# Altium PCB PCB1.PcbDoc
Units mil, origin at the board's own origin, x right, y up, seen from the top; angles counter-clockwise.
Board outline 1386.17 x 2594.96 mil, 2 copper layers (Top Layer, Bottom Layer); 53 components, 38 nets, 188 pads, 60 vias.
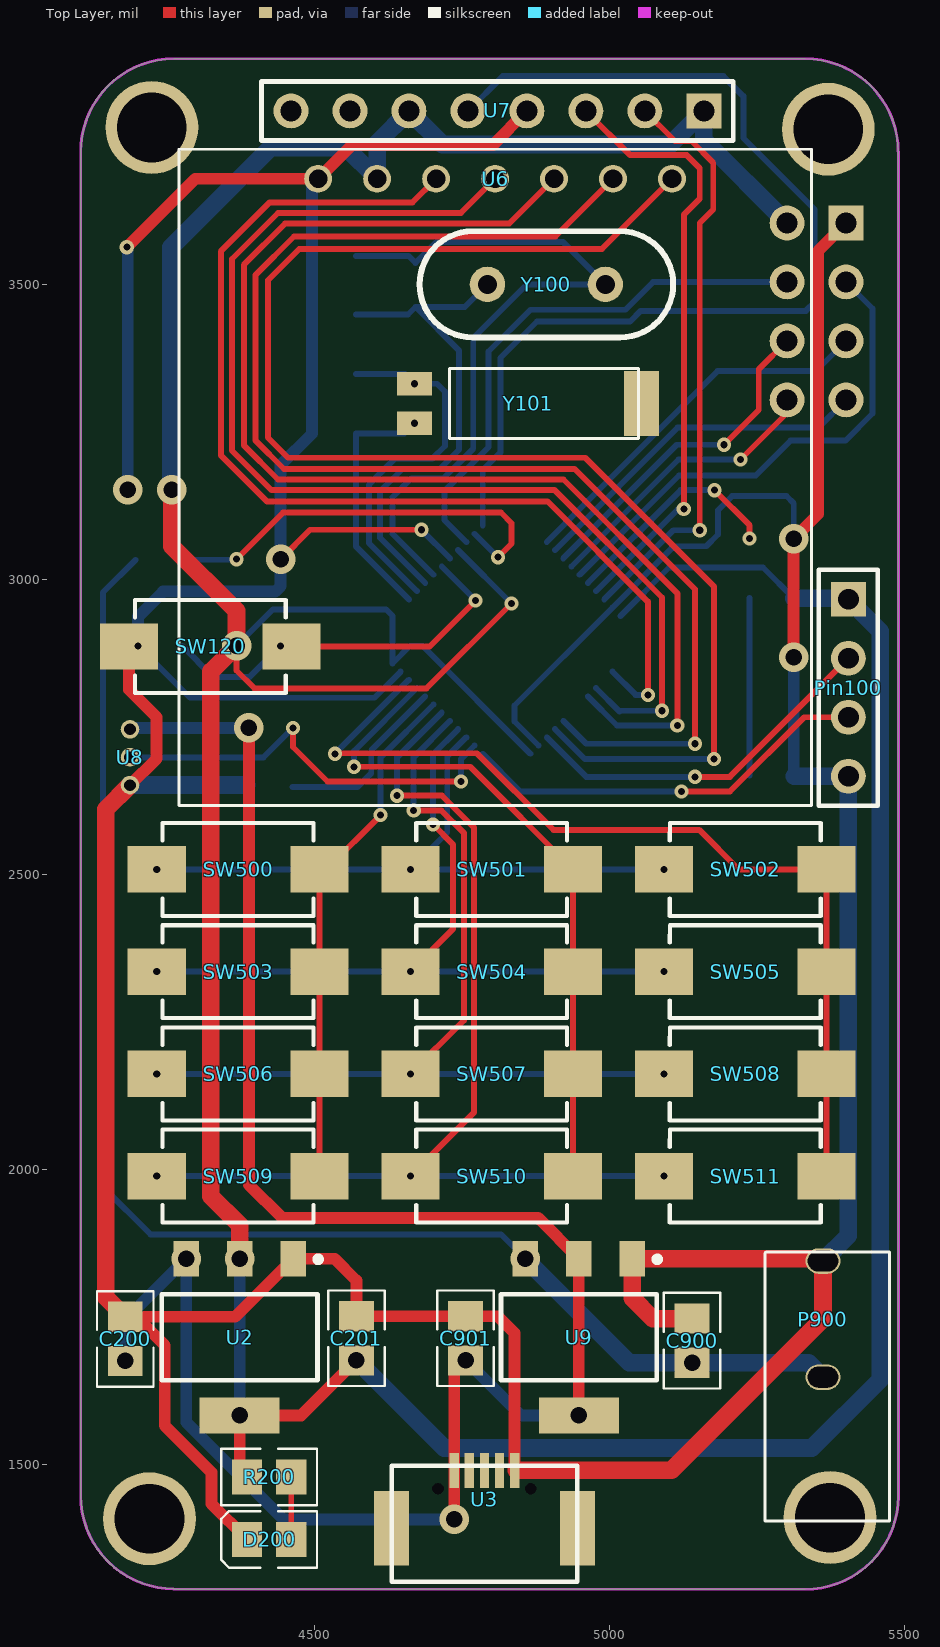
[diagram p0: Top Layer view]
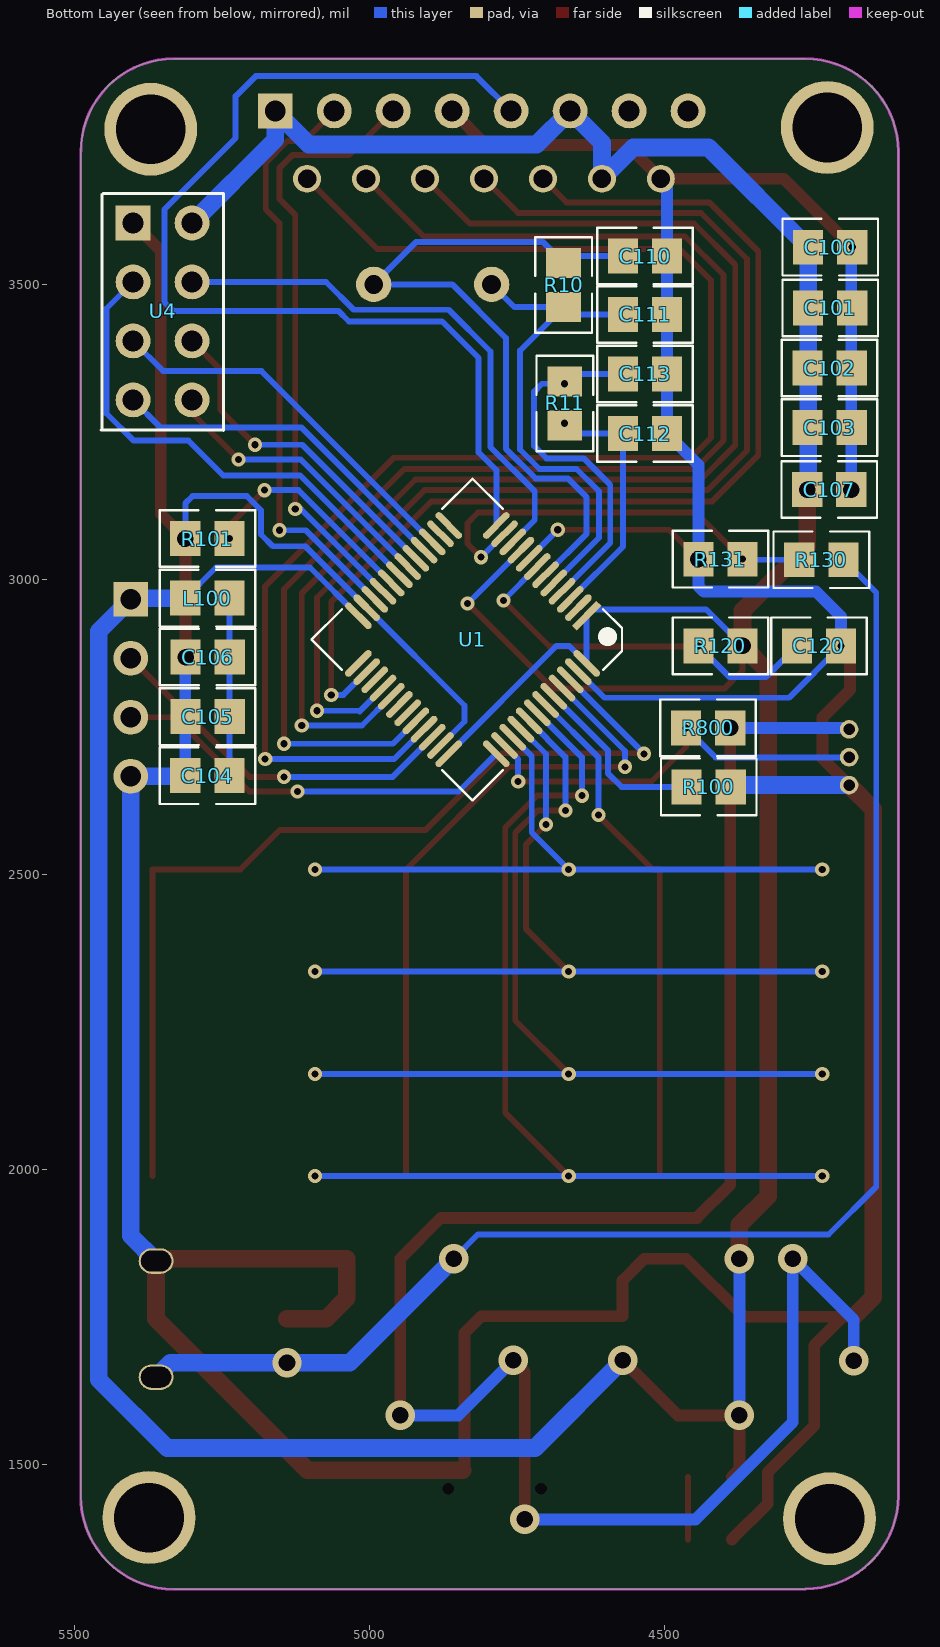
[diagram p1: Bottom Layer view, seen from below]
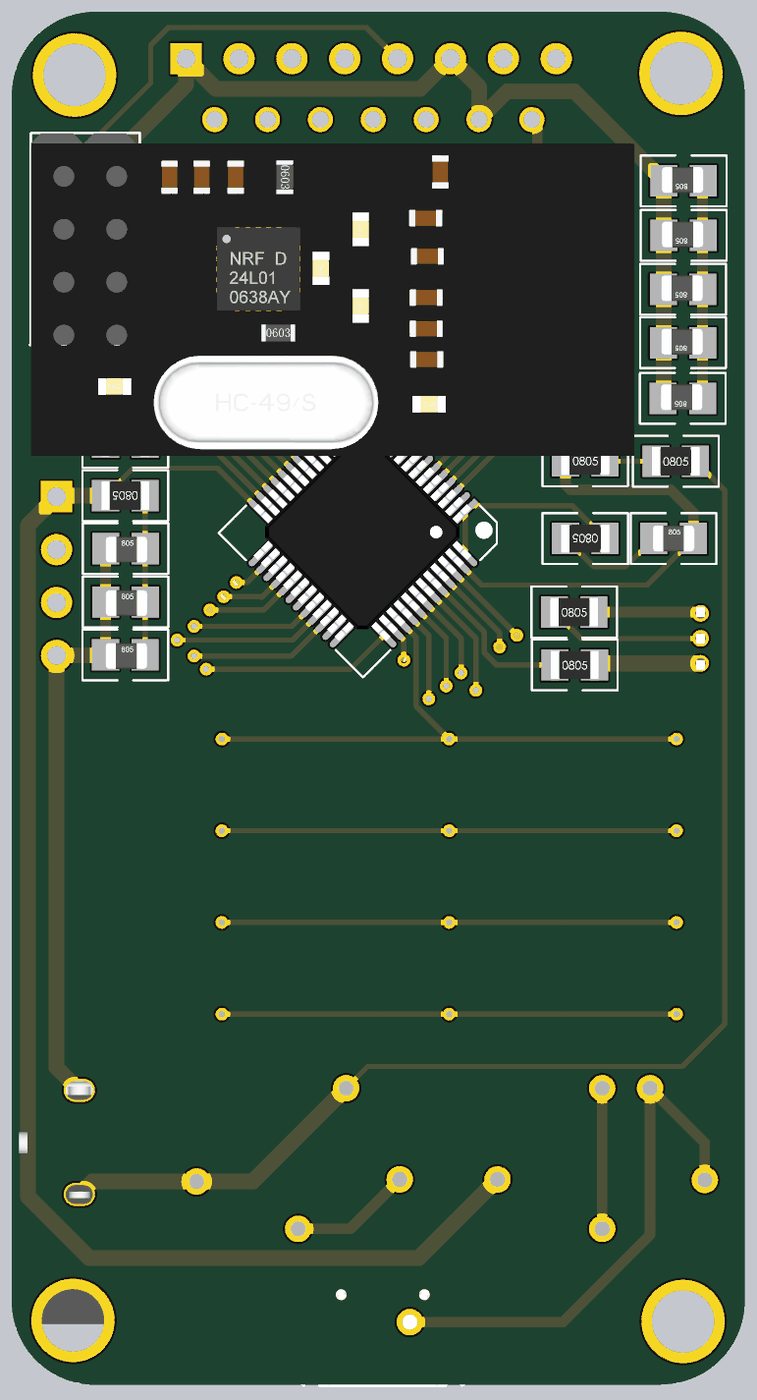
[diagram p2: 3D render of the assembled board from below, using the file's embedded part models]

## Layer stack, top to bottom
Top Solder: solder mask 0.4, Solder Resist, Dk 3.5
Top Layer: signal copper 1.4
Dielectric 1: dielectric 12.6, FR-4, Dk 4.8
Bottom Layer: signal copper 1.4
Bottom Solder: solder mask 0.4, Solder Resist, Dk 3.5

## Board outline
4103.52,1446.8 ccw(c4261,1446.8) 4261,1289.32 4261,1288.52 5332.2,1288.52 ccw(c5332.2,1446) 5489.69,1446 5489.69,3725.98 5489.48,3725.98 ccw(c5332,3725.98) 5332,3883.46 5332,3883.48 4261,3883.48 ccw(c4261,3726) 4103.52,3726

## Design rules (kind name [scope] priority, off if disabled: settings)
Clearance [All] p1: gap=6
PolygonConnect [All] p1: connectstyle=Relief reliefconductorwidth=10 reliefentries=4 polygonreliefangle="90 Angle" airgapwidth=10
RoutingVias [All] p1: holewidth=28 width=50 viastyle="Through Hole" minholewidth=12 minwidth=24 maxholewidth=28 maxwidth=50
SolderMaskExpansion [All] p1: expansion=4
Width 7V2 [All] p1: maxlimit=30 minlimit=10 preferedwidth=30 minimp=50.000000 maximp=50.000000 favimp=50.000000
Width POWER [InNet('BEATTRY')] p2: maxlimit=30 minlimit=10 preferedwidth=30 minimp=50.000000 maximp=50.000000 favimp=50.000000
Width 5V [InNet('5V')] p3: maxlimit=20 minlimit=10 preferedwidth=20 minimp=50.000000 maximp=50.000000 favimp=50.000000
Width GND [InNet('GND')] p4: maxlimit=30 minlimit=10 preferedwidth=30 minimp=50.000000 maximp=50.000000 favimp=50.000000
Width SYS_VCC [InNet('SYS_VCC')] p5: maxlimit=30 minlimit=10 preferedwidth=20 minimp=50.000000 maximp=50.000000 favimp=50.000000
Width [All] p6: maxlimit=10 minlimit=10 preferedwidth=10
30 further rules are at their usual default settings.

## Components (designator, comment, footprint, x,y, rotation, side; value= is the part's Value field where it differs from the comment)
C100 "100nf" 0805 4219,3564 r0 bottom
C101 "100nf" 0805 4219,3461 r0 bottom
C102 "100nf" 0805 4220,3359 r0 bottom
C103 "100nf" 0805 4220,3258 r0 bottom
C104 "100nf" 0805 5275,2668 r180 bottom
C105 "100nf" 0805 5274.6,2768 r180 bottom
C106 "100nf" 0805 5274.6,2869 r180 bottom
C107 "100nf" 0805 4220.6,3153 r0 bottom
C110 "20pf" 0805 4533,3549 r180 bottom
C111 "20pf" 0805 4533,3450 r180 bottom
C112 "20pf" 0805 4533,3248 r180 bottom
C113 "20pf" 0805 4533,3349 r180 bottom
C120 "100nf" Cap0805 4238,2888 r180 bottom
C200 "10uf" 0805 4179,1713 r270 top
C201 "10uf" 0805 4571,1714 r90 top
C900 "10UF" Cap0805 5140,1710 r270 top
C901 "10UF" Cap0805 4756,1714 r90 top
D200 "LED0" LED-0805 4423,1373 r180 top
L100 "Inductor" 0805 5275,2969 r0 bottom
P900 "Header 2" DC003 5362,1845 r0 top
Pin100 "SWD" HDR1X4 5405,2967 r270 top
R10 "Res" 0805 4671,3500 r90 bottom
R11 "Res" 0805 4669,3299 r270 bottom
R100 "Res" 0805 4425,2649 r180 bottom
R101 "Res" 0805 5275,3070 r0 bottom
R120 "Res" 0805 4405,2888 r0 bottom
R130 "Res" 0805 4234,3034 r180 bottom
R131 "Res" 0805 4405,3035 r180 bottom
R200 "Res" 0805 4423,1479 r0 top
R800 "Res" 0805 4426,2749 r180 bottom
SW120 "SW-PB" SW-PB 4321,2887 r180 top
SW500 "SW-PB" SW-PB 4368,2509 r180 top
SW501 "SW-PB" SW-PB 4798,2509 r180 top
SW502 "SW-PB" SW-PB 5228,2509 r180 top
SW503 "SW-PB" SW-PB 4368,2335.67 r180 top
SW504 "SW-PB" SW-PB 4798,2335.67 r180 top
SW505 "SW-PB" SW-PB 5228,2335.67 r180 top
SW506 "SW-PB" SW-PB 4368,2162.33 r180 top
SW507 "SW-PB" SW-PB 4798,2162.33 r180 top
SW508 "SW-PB" SW-PB 5228,2162.33 r180 top
SW509 "SW-PB" SW-PB 4368,1989 r180 top
SW510 "SW-PB" SW-PB 4798,1989 r180 top
SW511 "SW-PB" SW-PB 5228,1989 r180 top
U1 "STM32F103C8T6" LQFP-48 4632,2939 r315 bottom
U2 "ASM1117" SOT-223 4373,1716 r180 top
U3 "microusb" microusb 4788,1435 r180 top
U4 "NRF24L01+" DIP8NRF 5301,3304 r0 bottom
U6 "OLED" OLED 4506,3680 r0 top
U7 "PS608" HDR1X8 5160,3795 r180 top
U8 "DS18B20" TO-92 4187,2652 r90 top
U9 "ASM1117" SOT-223 4948,1716 r180 top
Y100 "XTAL" X-HC49U 4893,3501 r0 top
Y101 "XTAL" 308晶振 4862,3299 r180 top

## Footprints (in the part's own frame and the unit in brackets; to place one, negate y for a bottom-side part, rotate by r counter-clockwise, add the part's x,y. Pads: shape width x height; smd on the part's side, far side on the other; paste and mask are expansions set on the pad)
308晶振 [mm] "32.768KHz"
  rect 1.5x2.8 smd: 0(-4.889,0)
  rect 1.5x1 smd: 1(4.889,-0.85) 2(4.889,0.85)
  silkscreen extent -4.76,-1.5 3.39,1.5, body extent -4.76,-1.5 3.37,1.55, height 3
0805 [mm]
  rect 1.3x1.5 smd: 1(-0.95,0) 2(0.95,0)
  silkscreen extent -2.06,-1.22 2.06,1.22, body extent -0.95,-0.68 1.05,0.57, height 0.78
Cap0805 [mm] "贴片电容"
  rect 1.3x1.5 smd: 1(-0.95,0) 2(0.95,0)
  silkscreen extent -2.06,-1.22 2.06,1.22, body extent -1,-0.62 1,0.63, height 0.78
DC003 [mm]
  oval 1.5x1.1 hole 0.9 slot 1.3 at 0 deg: 1(0,0) 2(0,-5)
  silkscreen extent -2.49,-11.2 2.87,0.38, body extent -2.5,-11.22 2.9,0.38, height 7.4
DIP8NRF [mm]
  rect 1.5x1.5 hole 0.9: 1(2.54,-7.645)
  round 1.5 hole 0.9: 2(0,-7.645) 3(2.54,-5.105) 4(0,-5.105) 5(2.54,-2.565) 6(0,-2.565) 7(2.54,-0.025) 8(0,-0.025)
  silkscreen extent -1.35,-8.92 3.91,1.3, body extent -25.11,-8.89 3.89,6.6, height 11.12
HDR1X4 [mm] "Connector; Header; 4 Position"
  rect 1.5x1.5 hole 0.9: 1(0,0)
  round 1.5 hole 0.9: 2(2.54,0) 3(5.08,0) 4(7.62,0)
  silkscreen extent -1.27,-1.27 8.89,1.27
HDR1X8 [mm] "Connector; Header; 8 Position"
  rect 1.5x1.5 hole 0.9: 1(0,0)
  round 1.5 hole 0.9: 2(2.54,0) 3(5.08,0) 4(7.62,0) 5(10.16,0) 6(12.7,0) 7(15.24,0) 8(17.78,0)
  silkscreen extent -1.27,-1.27 19.05,1.27
LED-0805 [mm]
  rect 1.3x1.5 smd: 1(-0.95,0) 2(0.95,0)
  silkscreen extent -2.06,-1.22 2.06,1.22, body extent -1,-0.62 1,0.63, height 0.81
LQFP-48 [mm]
  rect 1.5x0.3 smd: 1(0,0)
  oval 1.5x0.3 smd: 2(0,-0.5) 3(0,-1) 4(0,-1.5) 5(0,-2) 6(0,-2.5) 7(0,-3) 8(0,-3.5) 9(0,-4) 10(0,-4.5) 11(0,-5) 12(0,-5.5) 25(8.4,-5.5) 26(8.4,-5) 27(8.4,-4.5) 28(8.4,-4) 29(8.4,-3.5) 30(8.4,-3) 31(8.4,-2.5) 32(8.4,-2) 33(8.4,-1.5) 34(8.4,-1) 35(8.4,-0.5) 36(8.4,0)
  oval 0.3x1.5 smd: 13(1.45,-6.95) 14(1.95,-6.95) 15(2.45,-6.95) 16(2.95,-6.95) 17(3.45,-6.95) 18(3.95,-6.95) 19(4.45,-6.95) 20(4.95,-6.95) 21(5.45,-6.95) 22(5.95,-6.95) 23(6.45,-6.95) 24(6.95,-6.95) 37(6.95,1.45) 38(6.45,1.45) 39(5.95,1.45) 40(5.45,1.45) 41(4.95,1.45) 42(4.45,1.45) 43(3.95,1.45) 44(3.45,1.45) 45(2.95,1.45) 46(2.45,1.45) 47(1.95,1.45) 48(1.45,1.45)
  silkscreen extent -0.7,-7.65 9.1,2.15, body extent -0.31,-7.29 8.69,1.71, height 1.5
microusb [mm]
  rect 1.5x3.2 smd: 0(4,1.1) 6(-4,1.1)
  rect 0.4x1.5 smd: 1(1.3,-1.4) 2(0.65,-1.4) 3(0,-1.4) 4(-0.65,-1.4) 5(-1.3,-1.4)
  round 0 hole 0.5: 8(2,-0.6) 9(-2,-0.6)
  silkscreen extent -4,-1.6 4,3.4, body extent -4.04,-1.71 4.04,3.86, height 2.73
OLED [mm]
  round 1.2 hole 0.8: 1(0,0) 2(2.54,0) 3(5.08,0) 4(7.62,0) 5(10.16,0) 6(12.7,0) 7(15.24,0)
  silkscreen extent -6,-27 21.24,1.27, body extent -5.73,-26.35 20.97,-4.14, height 5.7
SOT-223 [mm]
  rect 1.1x1.55 smd: 1(-2.3,-3.375) 2(0,-3.375) 3(2.3,-3.375)
  rect 3.45x1.55 smd: 4(0,3.375)
  silkscreen extent -3.5,-3.48 3.35,1.85, body extent -3.3,-3.94 3.3,3.43, height 0.8
SW-PB [mm] "贴片按键"
  rect 2.5x2 smd: 1(-3.556,0) 2(3.444,0)
  silkscreen extent -3.31,-2 3.19,2, body extent -3.3,-2.03 3.18,2.03, height 1.2
TO-92 [mm]
  round 0.8 hole 0.5: 1(0,0) 2(1.2,0) 3(2.4,0)
  body extent -1.19,-2.18 3.57,1.44, height 4.82
X-HC49U [mil] "直插无源晶振"
  round 60 hole 32: 1(-100,0) 2(100,0)
  silkscreen extent -215,-90 215,90, body extent -186,-89 194,91, height 87

## Part data
C100 C101 C102 C103 C104 C105 C106 C107 C110 C111 C112 C113 C120 C200 C201 C900 C901: library part Cap, "0805贴片电容"
D200: "0805贴片LED灯"
P900: "Header, 2-Pin"
Pin100: "SWD下载端口"
R10 R11 R100 R101 R120 R130 R131 R200 R800: "0805贴片电阻"
SW120 SW500 SW501 SW502 SW503 SW504 SW505 SW506 SW507 SW508 SW509 SW510 SW511: "贴片按键"
U1: "Cortex-M3内核单片机"
U2 U9: "线性稳压芯片"
U4: "直插式NRF"
U7: "指纹模块"
U8: "温度传感器"
Y100 Y101: "无源晶振"

## Free pads (board coordinates)
  round 157.48 hole 118.11: 0(4220,1408) 0(4224,3767) 0(5371,3764) 0(5374,1410)

## Via types
v1: diameter 24, hole 12, Top Layer to Bottom Layer, 43 vias
v2: diameter 50, hole 28, Top Layer to Bottom Layer, 17 vias

## Nets (pads, with @x,y where several pads share a name; then routed paths per layer and width w, separated by ;. In a path a pad name is that pad's centre, name@x,y a point inside that pad or via, vN(x,y) a via of type N, cw(c..) or ccw(c..) an arc to the next point about the centre after c; other vN are vias at no path point)
5V: C200.2 C901.1 R800.2 U2.3 U3.1 U8.3 U9.2 U9.4 | length 3375.3
  Top Layer w20: v2(4388.6,2749) 4388.6,1974.4 4445,1918 4878.87,1918 U9.2 v2(4948,1583.13) ; v2(4736.82,1406.82) U3.1 4736.82,1657.41 v2(4756,1676.6)
  Bottom Layer w20: v2(4179,1675.6) 4179,1745.42 v2(4282.45,1848.87) 4282.45,1571.55 4447.18,1406.82 v2(4736.82,1406.82) ; U8.3@4189.51,2749 v2(4388.6,2749) ; v2(4756,1676.6) 4849.48,1583.13 v2(4948,1583.13)
7V2: C900.2 P900.2 R130.2 U9.3 | length 2440.8
  Bottom Layer w10: R130.2 4141,2978.4 4141,1971 4222,1890 4816.32,1890 v2(4857.45,1848.87)
  Bottom Layer w30: v2(4857.45,1848.87) 5033.73,1672.6 v2(5140,1672.6) 5337.55,1672.6 P900.2
BEATER: R130.1 R131.2 U1.11 | length 725.2
  Top Layer w10: v1(4367.6,3035) 4446.6,3114 4816,3114 4834,3096 4834,3061.39 v1(4811,3038.39)
  Bottom Layer w10: R130.1 R131.2@4366.6,3034 ; U1.11 v1(4811,3038.39)
BOOT0: R100.1 U1.44 | length 311.7
  Bottom Layer w10: R100.1 4573,2649 4596,2672 4596,2710.91 U1.44
BOOT1: R101.1 U1.20 | length 386.6
  Top Layer w10: v1(5178,3152) 5237.6,3092.4 v1(5237.6,3070)
  Bottom Layer w10: U1.20 5120.6,3152 v1(5178,3152)
DQ: R800.1 U1.38 U8.2 | length 709.2
  Top Layer w10: v1(4463.4,2749) 4463.4,2716.6 4522,2658 v1(4748,2658)
  Bottom Layer w10: U8.2@4187,2698.76 4413.16,2698.76 v1(4463.4,2749) ; v1(4748,2658) 4748,2695.88 U1.38
GND: C100.1 C101.1 C102.1 C103.1 C104.1 C105.1 C106.1 C107.1 C110.2 C111.2 C112.2 C113.2 C120.2 C200.1 C201.2 C900.1 C901.2 D200.2 P900.1 Pin100.4 R100.2 R101.2 R131.1 SW120.2 U1.8 U1.23 U1.35 U1.47 U2.1 U3.5 U4.1 U6.1 U7.4 U8.1 U9.1 | length 9834.9
  Top Layer w10: v2(4442.4,3035) 4492.27,3084.87 v1(4681,3084.87)
  Top Layer w20: C200.1 4197.6,1750.4 4246,1702 4246,1566 4325,1487 4325,1433.6 D200.2 ; v1(4181.6,3564) 4297.6,3680 U6.1 4563,3737 4802,3737 U7.4 ; v2(4183.2,3153) v2@4185.41,3150.79 ; SW120.2 4185.41,2813.59 4232,2767 4232,2697 U8.1 ; 4210.6,1750.4 4365.08,1750.4 U2.1 4534.13,1848.87 4571,1812 C201.2 C901.2 4810.6,1751.4 4839.18,1722.82 U3.5 ; v2(5312,2869) v2@5312,3069.6 ; v2(5312.4,3070) 5354,3111.6 5354,3558 U4.1
  Top Layer w30: C200.1 4146,1783.4 4146,2611 U8.1 ; U3.5@4842.46,1490.12 5105.12,1490.12 5362,1747 P900.1 ; C900.1 5073.6,1747.4 5038.55,1782.45 U9.1 P900.1@5358.13,1848.87
  Bottom Layer w10: v1(4200.6,2888) 4288.6,2800 4601.57,2800 U1.47 ; v1(4681,3084.87) U1.8 ; U1.35 4839,2759.84 4839,2786.88 U1.23 5109.12,3057 5164,3057 5184,3077 5184,3118 5208,3142 5300,3142 5312.4,3129.6 v2(5312.4,3070)
  Bottom Layer w20: v2(4183.2,3153) C100.1@4183.2,3562.4 ; v1(4200.6,2888) 4200.6,2937.6 4243,2980 4433,2980 4442.4,2989.4 v2(4442.4,3035) 4442.4,3194.8 C112.2 C113.2 C111.2 C110.2 4495.6,3669.6 U6.1 ; C104.1 C106.1@5312.4,2868.6
  Bottom Layer w30: U8.1 R100.2@4384.6,2652 ; C104.1@5313.4,2667 Pin100.4 5405,1888 P900.1
JTCK: Pin100.3 U1.37 | length 698.7
  Top Layer w10: v1(5122,2641) 5204,2641 5330,2767 Pin100.3
  Bottom Layer w10: U1.37 4849.27,2641 v1(5122,2641)
JTMS: Pin100.2 U1.34 | length 622.3
  Top Layer w10: v1(5145,2666) 5204,2666 Pin100.2
  Bottom Layer w10: U1.34 4960.68,2666 v1(5145,2666)
LISR1: SW500.1 SW503.1 SW506.1 SW509.1 U1.43 | length 886.9
  Top Layer w10: SW509.1 SW506.1 SW503.1 SW500.1 4520,2509 v1(4612,2601)
  Bottom Layer w10: v1(4612,2601) 4612,2699.07 U1.43
LISR2: SW501.1 SW504.1 SW507.1 SW510.1 U1.45 | length 1140.8
  Top Layer w10: v1(4567,2683) 4764,2683 SW501.1 SW504.1 SW507.1 SW510.1
  Bottom Layer w10: v1(4567,2683) 4567,2709.75 U1.45
LISR3: SW502.1 SW505.1 SW508.1 SW511.1 U1.46 | length 1613
  Top Layer w10: v1(4534.41,2705) 4535.41,2706 4775,2706 4905,2576 5152,2576 5219,2509 SW502.1 SW505.1 SW508.1 SW511.1
  Bottom Layer w10: v1(4534.41,2705) U1.46
NetC104_2: C104.2 C105.2 C106.2 L100.1 | length 301
  Bottom Layer w10: C104.2 L100.1
NetD200_1: D200.1 R200.2 | length 106
  Top Layer w10: D200.1 R200.2
OSC32_IN: C112.1 R11.2 U1.3 Y101.2 | length 424.6
  Bottom Layer w10: U1.3 4570.4,3056.28 C112.1 4651.96,3248 v1(4669.5,3265.54)
OSC32_OUT: C113.1 R11.1 U1.4 Y101.1 | length 625.5
  Bottom Layer w10: C113.1 4652.96,3349 v1(4669.5,3332.46) 4707.54,3332.46 4721,3319 4721,3227 4700,3206 4637,3206 4592,3161 4592,3062.52 U1.4
OSC_IN: C111.1 R10.1 U1.5 Y100.1 | length 866.5
  Bottom Layer w10: C111.1 4658.4,3450 R10.1 ; U1.5 4611,3071.36 4611,3150 4649,3188 4712,3188 4745,3221 4745,3388.6 R10.1 ; Y100.1 4754.6,3462.6 R10.1
OSC_OUT: C110.1 R10.2 U1.6 Y100.2 | length 1252.6
  Bottom Layer w10: C110.1 4659.4,3549 R10.2 4706.6,3573 4921,3573 Y100.2 4860,3501 4769,3410 4769,3222.37 4718.63,3172 4664,3172 4632,3140 4632,3078.19 U1.6
PS_WAK: U1.12 U7.5 | length 1773.3
  Bottom Layer w10: U7.5 4819,3854 5193,3854 5227,3820 5227,3749 5348,3628 5348,3471 5333,3456 5053,3456 5035,3438 4877,3438 4815,3376 4815,3216 4785.11,3186.11 U1.12
REST: C120.1 R120.2 SW120.1 U1.7 | length 636.5
  Top Layer w10: SW120.1 4695,2887 v1(4773,2965)
  Bottom Layer w10: C120.1 4328.4,2835 4389.4,2835 v1(4442.4,2888) ; U1.7 v1(4773,2965)
ROW1: SW500.2 SW501.2 SW502.2 U1.39 | length 1123.3
  Bottom Layer w10: v1(4232.41,2509) v1(4662.41,2509) ; U1.39 4725,2700.72 4725,2571.59 v1(4662.41,2509) ; v1(5092.41,2509) v1(4662.41,2509)
ROW2: SW503.2 SW504.2 SW505.2 U1.40 | length 1332.9
  Top Layer w10: v1(4662.41,2335.67) 4735,2408.26 4735,2551 v1(4701,2585)
  Bottom Layer w10: v1(4232.41,2335.67) v1(4662.41,2335.67) v1(5092.41,2335.67) ; v1(4701,2585) 4701,2704.56 U1.40
ROW3: SW506.2 SW507.2 SW508.2 U1.41 | length 1584.2
  Top Layer w10: v1(4662.41,2162.33) 4753,2252.92 4753,2571 4715,2609 v1(4668,2609)
  Bottom Layer w10: v1(4232.41,2162.33) v1(4662.41,2162.33) v1(5092.41,2162.33) ; v1(4668,2609) 4668,2699.4 U1.41
ROW4: SW509.2 SW510.2 SW511.2 U1.42 | length 1820
  Top Layer w10: v1(4640,2634) 4716,2634 4770,2580 4770,2096.59 v1(4662.41,1989)
  Bottom Layer w10: v1(4232.41,1989) v1(4662.41,1989) v1(5092.41,1989) ; v1(4640,2634) 4640,2699.23 U1.42
SPI1_CE: U1.19 U4.3 | length 851.5
  Bottom Layer w10: U1.19 5117.77,3177 5248,3177 5307,3236 5400,3236 5446,3282 5446,3460 U4.3
SPI1_CSN: U1.10 U4.4 | length 924.1
  Bottom Layer w10: U1.10 4720,3101.55 4720,3150 4795,3225 4795,3387 4866,3458 5027,3458 5074,3505 U4.4
SPI1_IRQ: U1.18 U4.8 | length 495.5
  Top Layer w10: v1(5222,3204) 5301,3283 U4.8
  Bottom Layer w10: U1.18 5116.93,3204 v1(5222,3204)
SPI1_MISO: U1.16 U4.7 | length 598.9
  Bottom Layer w10: U1.16 5115.25,3258 5354,3258 U4.7
SPI1_MOSI: U1.17 U4.6 | length 572.6
  Top Layer w10: v1(5194,3229) 5253,3288 5253,3357 U4.6
  Bottom Layer w10: U1.17 5114.09,3229 v1(5194,3229)
SPI1_SCK: U1.15 U4.5 | length 648.4
  Bottom Layer w10: U1.15 5183.41,3354 5350,3354 U4.5
SPI2_CS: U1.33 U6.7 | length 2467.1
  Top Layer w10: U6.7 4987,3561 4474,3561 4421,3508 4421,3241 4455,3207 4959,3207 5177,2989 v1(5177,2696)
  Bottom Layer w10: U1.33 4958.52,2696 v1(5177,2696)
SPI2_DC: U1.32 U6.6 | length 2305.5
  Top Layer w10: U6.6 4908.19,3582.19 4465.19,3582.19 4400,3517 4400,3236 4448,3188 4941,3188 5145,2984 v1(5145,2722)
  Bottom Layer w10: U1.32 4960.36,2722 v1(5145,2722)
SPI2_MOSI: U1.28 U6.4 | length 1980.1
  Top Layer w10: U6.4 4748,3622 4438,3622 4360,3544 4360,3219 4427,3152 4907,3152 5089,2970 v1(5089,2778)
  Bottom Layer w10: U1.28 5016.71,2777 5017.71,2778 v1(5089,2778)
SPI2_RES: U1.29 U6.5 | length 2127.7
  Top Layer w10: U6.5 4830,3604 4450,3604 4380,3534 4380,3228 4438,3170 4922,3170 5115,2977 v1(5115,2753)
  Bottom Layer w10: U1.29 5012.87,2753 v1(5115,2753)
SPI2_SCK: U1.26 U6.3 | length 1822.9
  Top Layer w10: U6.3 4666,3640 4424,3640 4341,3557 4341,3211 4419,3133 4895,3133 5065,2963 v1(5065,2805)
  Bottom Layer w10: U1.26 5044.39,2805 v1(5065,2805)
SYS_VCC: C100.2 C101.2 C102.2 C103.2 C107.2 C201.1 L100.2 Pin100.1 R120.1 R200.1 U1.1 U1.9 U1.24 U1.36 U1.48 U2.2 U2.4 U4.2 U6.2 U7.1 U7.6 | length 7971.2
  Top Layer w10: v2(4367.6,2888) 4367.6,2846.4 4398,2816 4689.71,2816 v1(4833.71,2960)
  Top Layer w20: R200.1 4373,1491.6 v2(4373,1583.13) 4477.53,1583.13 v2(4571,1676.6)
  Top Layer w30: v2(4258,3153) 4258,3057 4367.6,2947.4 v2(4367.6,2888) 4324,2844.4 4324,1955 4373,1906 v2(4373,1848.87)
  Bottom Layer w10: v2(4367.6,2888) 4429.6,2950 4621,2950 U1.1 U1.48 4661.73,2888 4683,2888 U1.36 ; U1.9 v1(4833.71,2960) ; U1.24 5100.96,3021 5260.4,3021 L100.2
  Bottom Layer w20: v2(4373,1583.13) v2(4373,1848.87)
  Bottom Layer w30: C107.2@4256.4,3154.6 C101.2 C100.2 4425.4,3733 4553,3733 U6.2 4606,3741 U7.6 4717,3738 5103,3738 U7.1 5160,3746 U4.2 ; v2(4571,1676.6) 4719.6,1528 5343,1528 5459,1644 5459,2913 Pin100.1 ; L100.2 Pin100.1@5403,2969
USART3_RX: U1.22 U7.2 | length 995.4
  Top Layer w10: U7.2 5111,3744 5139,3744 5176,3707 5176,3628 5153,3605 v1(5153,3084)
  Bottom Layer w10: U1.22 5108.28,3084 v1(5153,3084)
USART3_TX: U1.21 U7.3 | length 1028.8
  Top Layer w10: U7.3 5035,3720 5131,3720 5153,3698 5153,3646 5126,3619 v1(5126,3120)
  Bottom Layer w10: U1.21 5116.44,3120 v1(5126,3120)
pads on no net: U1.2 U1.13 U1.14 U1.25 U1.27 U1.30 U1.31 U3.0 U3.2 U3.3 U3.4 U3.6 U3.8 U3.9 U7.7 U7.8 Y101.0

## Keep-outs
Keep-Out Layer:
  lines w5: 4261,1288.52 5332.2,1288.52 ccw(c5332.2,1446) 5489.69,1446 5489.69,3725.98 ; 4261,1289.32 cw(c4261,1446.8) 4103.52,1446.8 4103.52,3726 cw(c4261,3726) 4261,3883.48 5332,3883.48 ; 5332,3883.46 cw(c5332,3725.98) 5489.48,3725.98